# Allegro board A527_draft_V1_0.brd (continued)
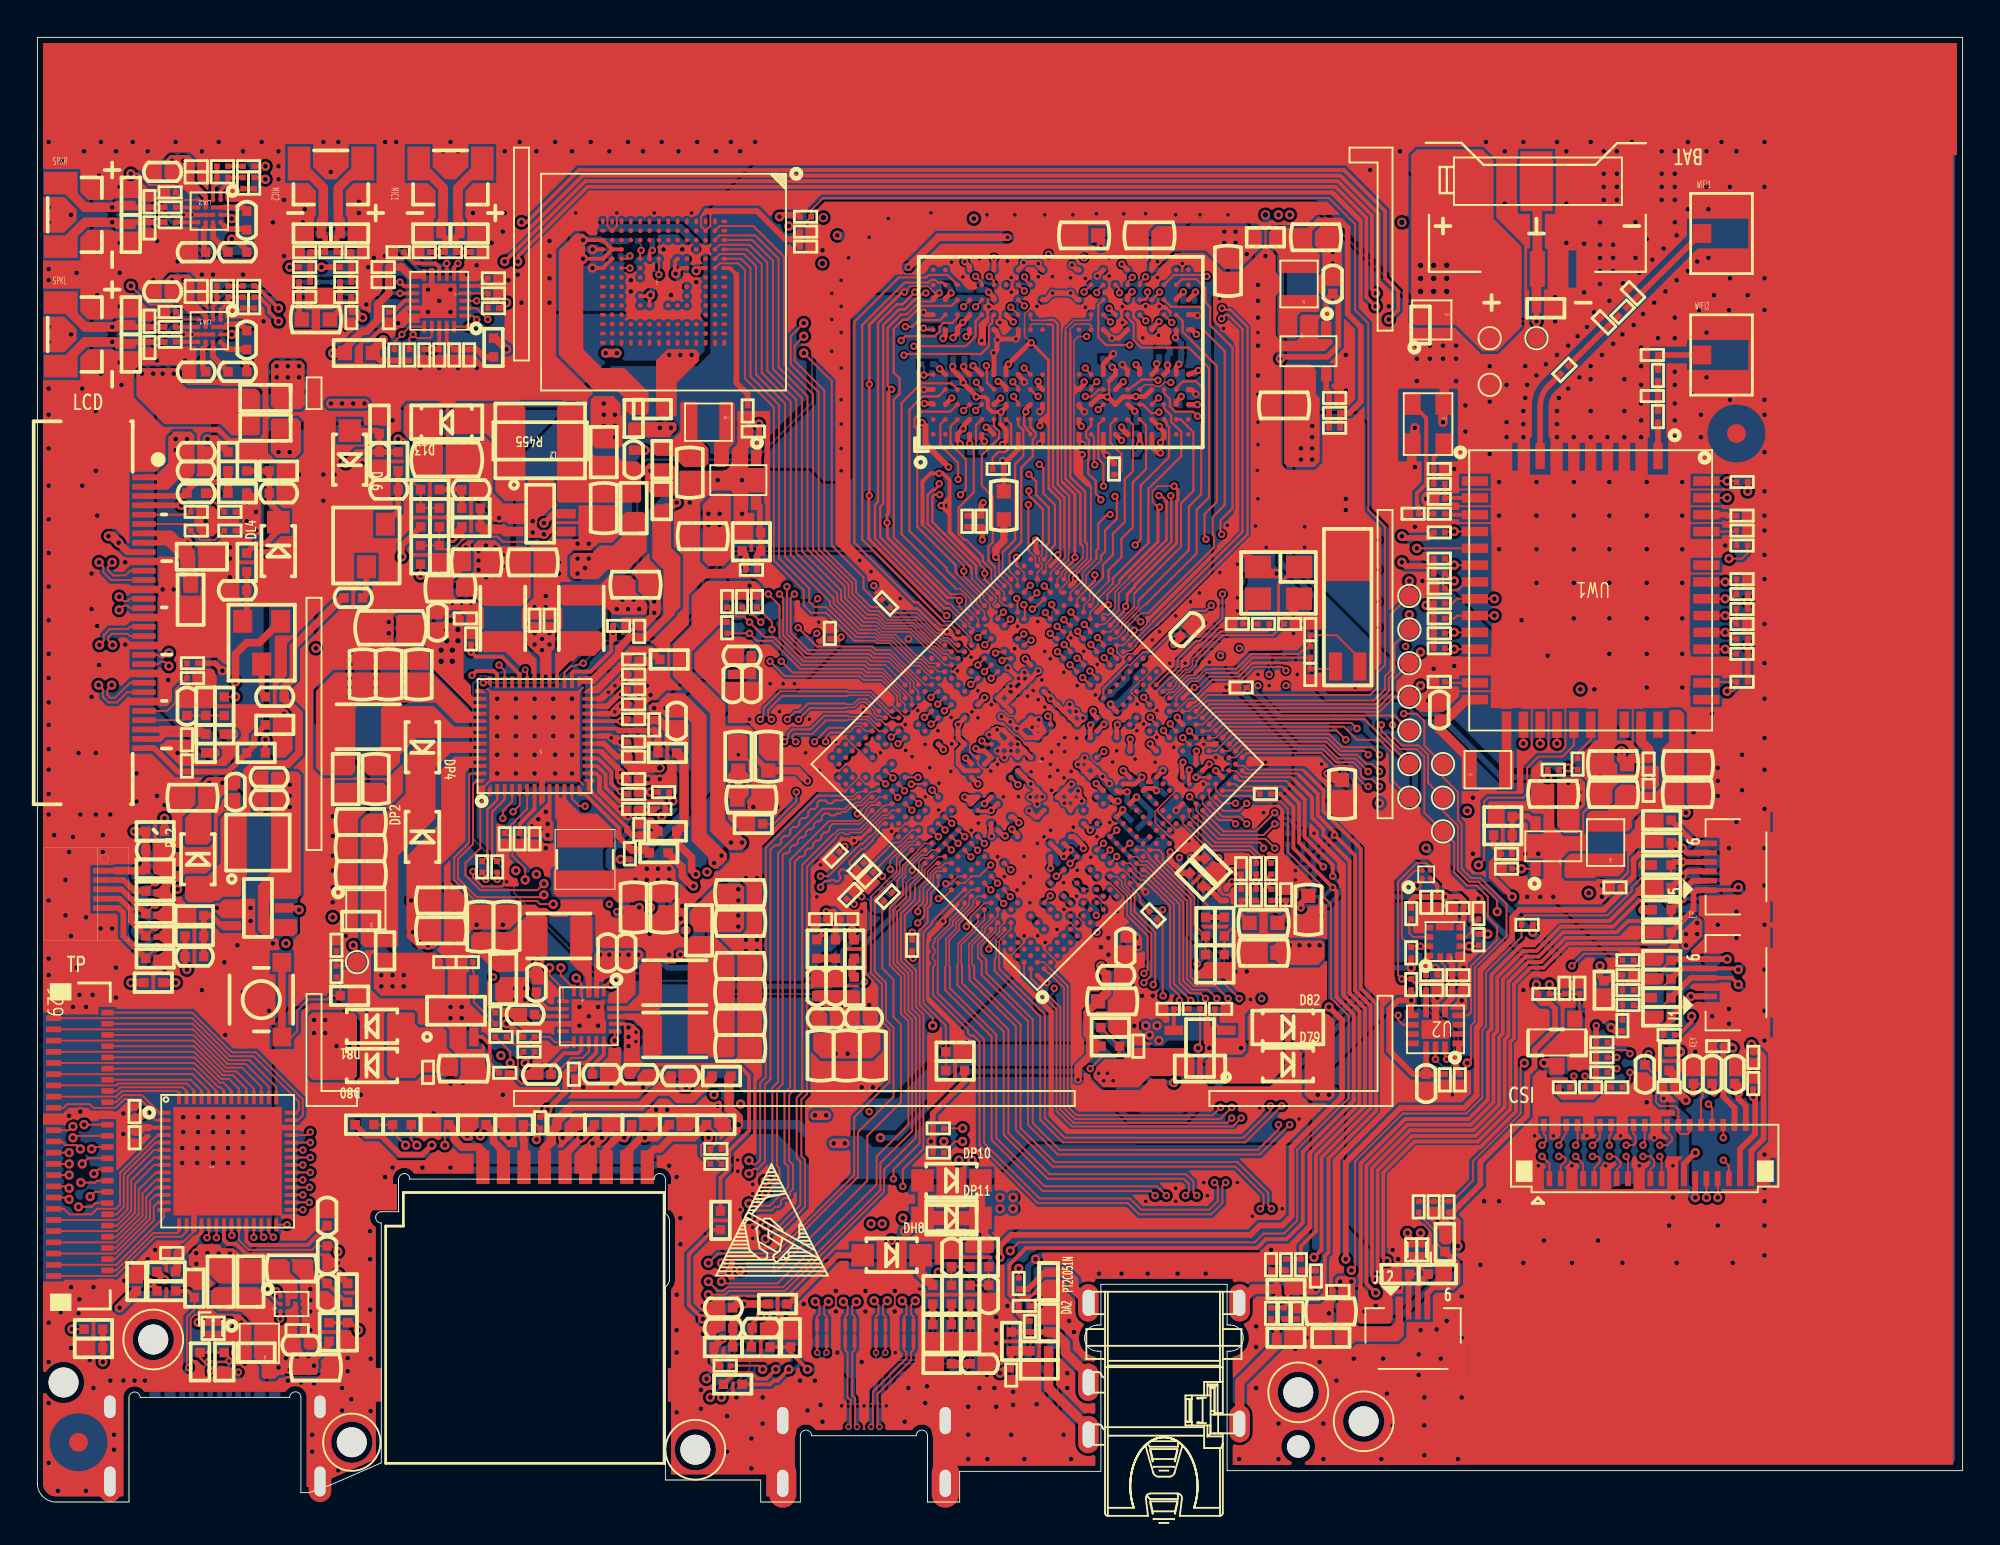
[diagram p0: board, top side]
## Routing (per net, layer and track width the routed paths; a pad name or vN(x,y) marks a point on that pad's centre or on a via; arc(x,y) is an arc through that point) (continued)
EMMC-D1: length 29
  TOP w0.076: 44.6,46.7 44.85,46.7 45.12,46.42 45.9,46.42 47,45.32 47.32,45.32 47.74,44.9 48.1,44.9 U1.U32
  TOP w0.1: 44.6,46.7 44,46.7 42.6,48.1 42.6,48.4 40.3,50.7 40.3,58.9 38.75,60.45 38.75,66.25 37.95,67.05 UM1.A4
EMMC-D2: length 28.9
  TOP w0.076: 44.3,46.3 44.82,46.3 45,46.12 45.7,46.12 46.88,44.94 47.24,44.94 47.73,44.45 U1.T32
  TOP w0.1: 44.3,46.3 43.8,46.3 42.2,47.9 41.6,47.9 41.3,48.2 41.3,48.9 39.68,50.52 39.68,58.72 38.15,60.25 38.15,66.05 37.65,66.55 UM1.A5
EMMC-D3: length 30.8
  TOP w0.076: U1.W32 48.83,45.58 48.47,45.58 48.06,46 47.94,46 46.88,47.06 45.39,47.06 44.95,47.5 44.87,47.5
  TOP w0.1: UM1.B2 36.5,68.3 38.3,68.3 39.95,66.65 39.95,60.85 41.5,59.3 41.5,51 43.4,49.1 43.4,48.5 44.4,47.5 44.87,47.5
EMMC-D4: length 31
  TOP w0.076: U1.W31 48.9,45.16 48.65,45.41 48.43,45.41 48.04,45.8 47.92,45.8 46.81,46.91 45.32,46.91 44.93,47.3 44.8,47.3
  TOP w0.1: 44.8,47.3 44.3,47.3 43.2,48.4 43.2,49 41.2,51 41.2,59.2 39.65,60.75 39.65,66.55 38.4,67.8 36.5,67.8 UM1.B3
EMMC-D5: length 30.5
  TOP w0.076: 44.6,46.9 44.87,46.9 45.19,46.58 46.67,46.58 47.75,45.5 47.86,45.5 48.55,44.8 U1.V31
  TOP w0.1: 44.6,46.9 44.1,46.9 42.8,48.2 42.8,48.6 40.6,50.8 40.6,59 39.05,60.55 39.05,66.35 38.1,67.3 36.5,67.3 UM1.B4
EMMC-D6: length 30
  TOP w0.076: 44.4,46.5 44.83,46.5 45.06,46.27 45.8,46.27 46.96,45.11 47.31,45.11 47.72,44.7 47.95,44.7 48.2,44.45 U1.U31
  TOP w0.1: UM1.B5 36.5,66.8 37.8,66.8 38.45,66.15 38.45,60.35 40,58.8 40,50.6 42.4,48.2 42.4,48 43.9,46.5 44.4,46.5
EMMC-D7: length 29.9
  TOP w0.076: 44.2,46.1 44.8,46.1 44.93,45.97 45.6,45.97 46.8,44.77 47.17,44.77 47.84,44.1 U1.T31
  TOP w0.1: 44.2,46.1 43.7,46.1 42.2,47.6 41.4,47.6 41,48 41,48.8 39.4,50.4 39.4,58.6 37.85,60.15 37.85,65.95 37.5,66.3 36.5,66.3 UM1.B6
EMMC-DS: length 32.6
  TOP w0.1: UM1.H5 v1(33.25,65.7)
  TOP w0.114: U1.W28 49.99,43.77 v1(49.94,43.77)
  ART04 w0.1: v1(49.94,43.77) 49.33,43.77 47.2,45.9 47.2,46.2 46.6,46.8 46.3,46.8 41.4,51.7 41.4,59.9 36.6,64.7 34.6,64.7 34.2,65.1 33.85,65.1 v1(33.25,65.7)
  BOTTOM w0.1: v1(33.25,65.7) 32.95,66 RM10.1
EMMC-RST: length 35.3
  TOP w0.076: 45.23,47.77 45.63,47.37 47.04,47.37 48.08,46.33 48.2,46.33 48.42,46.11 48.66,46.11 49.26,45.51 49.61,45.51
  TOP w0.1: 45.23,47.77 45.1,47.9 44.6,47.9 43.8,48.7 43.8,49.3 42.1,51 42.1,59.5 40.51,61.09 40.51,61.91 v2(41,62.4) ; UM1.K5 32.25,66.95 v1(32.3,67)
  ART04 w0.1: v2(41,62.4) 40.6,62.8 40.6,64.3 37.4,67.5 32.8,67.5 v1(32.3,67)
  BOTTOM w0.1: v1(32.3,67) 32.3,67.3 RM8.1
EXT-DCDC2: length 18.4
  TOP w0.3: v2(78.9,32.4) 77.8,33.5 77.8,34.2 CP51.2 77.9,35.1 RP45.2
  TOP w0.5: CW21.1 87.55,37.55 v2(88.2,36.9)
  ART04 w0.3: v2(78.9,32.4) 79.5,31.8 81.3,31.8 82,32.5 82,33 82.6,33.6 84.6,33.6 84.8,33.4 86.2,33.4 87.2,34.4 87.2,35.9 v2(88.2,36.9)
EXT-DCDC4: length 7.9
  TOP w0.3: CP54.2 v2(37.9,50.4) 37.9,50.7 RP52.2
  ART04 w0.3: v2(37.9,50.4) 37.1,51.2 37.1,54.8 v2(35.6,56.3)
FEL: length 44.1
  TOP w0.1: U1.F16 49.96,35.23 v1(50.31,34.89) ; v2(16.9,29.8) 17.1,29.6 TP40.1 16.9,28.7 R525.2 CP69.2
  ART03 w0.1: v1(50.31,34.89) 50.31,33.81 47.7,31.2 47.7,30.7 47.1,30.1 46.3,30.1 44.7,28.5 44.1,28.5 43.5,27.9 34.3,27.9 33.4,28.8 33.4,30.48 33.08,30.8 32.4,30.8 31.9,30.3 29.55,30.3 28.77,29.52 25.43,29.52 24.92,29 23.82,29 23.62,28.8 20.1,28.8 19.1,29.8 v2(16.9,29.8)
GS-INT: length 40.5
  TOP w0.076: 47.8,32.39 47.8,32.6 48.2,33 U1.A16
  TOP w0.1: R35.1 77.05,29.75 v2(76.6,29.75) U7.5 ; 47.8,32.39 47.8,31.97 47.63,31.8 47.63,31.03 47.2,30.6 47.2,26.6 47.9,25.9 v2(47.9,25.5)
  ART03 w0.1: v2(47.9,25.5) 48.5,26.1 62.78,26.1 63.13,25.75 66.05,25.75 66.2,25.9 71.8,25.9 74.1,28.2 75.05,28.2 v2(76.6,29.75)
HBIAS: length 14.7
  TOP w0.1: 67,38.4 66.8,38.6 64.3,38.6 64.11,38.79 U1.AL1
  TOP w0.2: 67,38.4 67.8,37.6 67.8,35.6 69.3,34.1 v1(69.3,33.5)
  TOP w0.3: CA1.1 67.6,32.05 v1(67.6,31.8)
  BOTTOM w0.2: v1(69.3,33.5) 69.7,33.1 69.7,32.6 69.03,31.93 67.73,31.93 v1(67.6,31.8) 67.2,32.2 RA2.2
HCEC: length 41.6
  TOP w0.1: U1.E28 45.39,39.15 v1(45.77,38.76)
  TOP w0.3: RH5.1 v2(47.9,10.1) DH6.2
  ART04 w0.1: v2(47.9,10.1) 48.68,10.88 48.68,12.52 48.4,12.8 48.4,14.1 45.4,17.1 45.4,17.7 45.6,17.9 45.6,27.03 44.1,28.53 44.1,30.7 43.1,31.7 43.1,34.3 42.56,34.84 42.56,36.56 44.9,38.9 45.63,38.9 v1(45.77,38.76)
  BOTTOM w0.1: v2(47.9,10.1) 47.9,7.9 47.6,7.6 46,7.6 45.23,6.83 CON2.15
HDMI-CEC: length 1.9
  TOP w0.5: RH5.2 47.25,12.25 DH8.K
HDMI-SCL: length 2
  TOP w0.1: RH2.1 CH3.2 RH10.2
HDMI-SDA: length 2
  TOP w0.1: RH9.2 CH2.2 RH1.1
HHPD: length 46.1
  TOP w0.114: U1.D28 45.37,38.44 v1(45.38,38.44)
  TOP w0.2: RH3.1 38.2,9.27 CH1.2 38.25,9.55 v2(38.7,10)
  ART04 w0.1: v2(38.7,10) 39.8,8.9 48.1,8.9 48.4,9.2 48.4,10.3 48.89,10.79 48.89,12.61 48.6,12.9 48.6,14.2 46.7,16.1 46.7,17 45.8,17.9 45.8,27.13 44.3,28.63 44.3,30.8 43.3,31.8 43.3,34.4 42.78,34.92 42.78,36.48 44.74,38.44 v1(45.38,38.44)
HP-DET: length 46.8
  TOP w0.076: 63.33,37.8 63.05,38.08 U1.AJ2
  TOP w0.1: RA5.1 v2(52.5,12.5) ; v2(52.05,13.45) 52.5,13.9 65.13,13.9 65.6,14.37 66.7,14.37 67.4,15.07 67.4,18.87 70.15,21.62 70.15,26.02 69.2,26.97 69.2,32 68.8,32.4 68.8,32.9 66.9,34.8 66.9,37.1 66.5,37.5 65.2,37.5 64.9,37.8 63.33,37.8
  ART04 w0.1: v2(52.05,13.45) 52.5,13 v2(52.5,12.5)
HP-DET-1: length 59.2
  TOP w0.1: DA17.2 87.4,33.7 87.2,33.5 85.9,33.5 85.3,32.9 85.3,32.7 84,31.4 79.6,31.4 79.4,31.2 RA1.1 79.4,30.25 77.5,28.35 77.5,25.45 77.3,25.25 77.3,21.65 76.45,20.8 73.05,20.8 70.5,18.25 70.5,12.6 v2(70.3,12.4)
  TOP w0.3: JL5.4 v2(88,34.26) 87.56,34.26 DA17.2 ; RA5.2 53,11.4 53.9,12.3 DA2.2
  TOP w0.5: DA2.2 55,12.3 55.45,11.85 55.45,11.43 JA1.5
  ART04 w0.1: JA1.5 56.22,12.32 56.6,12.7 63.3,12.7 64,12 64.9,12 65.1,11.8 68.9,11.8 69.5,12.4 v2(70.3,12.4)
  BOTTOM w0.2: TP41.1 89.56,34.26 v2(88,34.26)
HPOUTFB: length 59.6
  TOP w0.1: U1.AM1 64.61,39 67.4,39 67.5,38.9
  TOP w0.2: 67.5,38.9 68.5,37.9 68.5,36.75 69.4,35.85 v1(69.4,35.7) 70.5,34.6 70.5,27.37 71.33,26.55 71.33,21.07 68.7,18.45 68.7,13.5 v2(68.3,13.1)
  TOP w0.3: RA47.1 RA10.2 51.7,7.1 v2(51.5,6.9)
  TOP w0.5: RA47.1 RN2.1
  ART04 w0.2: v2(51.5,6.9) 52.1,7.5 52.1,7.6 52.9,8.4 52.9,11.1 55.7,13.9 63.8,13.9 64.5,13.2 65.4,13.2 65.6,13 68.2,13 v2(68.3,13.1)
  BOTTOM w0.2: v1(69.4,35.7) 68.3,34.6 RA45.2 CA7.1 CA3.2
HPOUTFB-1: length 67.7
  TOP w0.3: RA47.2 RN1.2 DA5.2 ; v2(70,13) 70,18.17 72.93,21.1 76.33,21.1 77,21.77 77,25.38 77.2,25.58 77.2,28.47 78.9,30.17 78.9,31.3 79.3,31.7 83.8,31.7 84.7,32.6 RA40.2 84.8,32.9 85.4,33.5 85.4,34.4 85.7,34.7 87.2,34.7 87.4,34.9 DA14.2 87.6,35.3 87.9,35 v2(88,35) 88.24,34.76 JL5.5
  TOP w0.5: DA5.2 54.4,9.1 55,8.5 55,8 56.22,6.78 JA1.2
  ART04 w0.3: JA1.2 56.22,6.78 54.6,8.4 54.6,10.1 54.8,10.3 54.8,11.9 56,13.1 63.5,13.1 64.2,12.4 65.1,12.4 65.3,12.2 68.8,12.2 69.6,13 v2(70,13)
  BOTTOM w0.2: TP45.1 88.3,35 v2(88,35)
HPOUTL: length 33.1
  TOP w0.076: U1.AL2 64.11,39.15 64.45,38.8
  TOP w0.1: 67.2,38.7 67.1,38.8 64.45,38.8
  TOP w0.2: RA4.1 CA6.1 67.6,13.7 68.4,14.5 68.4,18.57 71.03,21.2 71.03,26.42 70.2,27.25 70.2,34.3 68.8,35.7 68.8,36.03 68.2,36.63 68.2,37.7 67.2,38.7
HPOUTL-1: length 46.6
  TOP w0.2: v2(71.6,11.9) 71.4,12.1 71.4,17.87 73.43,19.9 76.83,19.9 78.2,21.27 78.2,24.88 78.4,25.08 78.4,27.97 79.63,29.2 80.33,29.2 81.63,30.5 84.5,30.5 85.1,31.1 87.2,31.1 87.4,31.3 DA15.2
  TOP w0.3: RA4.2 RA9.2 66,12.1 66.3,11.8 DA1.2 66.4,11.3 v2(66.4,10.9) ; DA15.2 v2(88,32.3) 88,32.7 88.56,33.26 JL5.2
  TOP w0.5: DA1.2 65.06,11.4 JA1.4
  ART04 w0.2: v2(71.6,11.9) 70.6,10.9 v2(66.4,10.9)
  BOTTOM w0.2: TP43.1 v2(88,32.3)
HPOUTR: length 37.7
  TOP w0.076: U1.AM2 64.19,39.41 64.55,39.41 64.76,39.2 65.6,39.2
  TOP w0.1: 67.8,39.1 67.7,39.2 65.6,39.2
  TOP w0.2: 67.8,39.1 68.8,38.1 68.8,36.98 70.8,34.98 70.8,27.5 71.63,26.67 71.63,20.95 69.07,18.4 69.07,13.37 68.88,13.18 68.88,11.18 68.55,10.85 67.15,10.85 CA5.1 RA6.1
HPOUTR-1: length 52.8
  TOP w0.2: DA16.2 87.4,32.5 87.1,32.2 85.7,32.2 84.3,30.8 81.5,30.8 80.2,29.5 79.5,29.5 78.1,28.1 78.1,25.2 77.9,25 77.9,21.4 76.7,20.2 73.3,20.2 71.1,18 71.1,11.7 v2(71.6,11.2)
  TOP w0.3: DA3.2 v2(66.3,9.4) 66,9.7 RA6.2 ; DA16.2 v2(88,33.5) 88.26,33.76 JL5.3
  TOP w0.5: DA3.2 66.3,8.4 64.32,6.42 JA1.3
  ART04 w0.2: v2(66.3,9.4) 66.3,10 66.9,10.6 70.72,10.6 71.32,11.2 v2(71.6,11.2)
  BOTTOM w0.2: v2(88,33.5) 88.8,33.5 89,33.3 90.6,33.3 TP42.1
HREXT: length 10.7
  TOP w0.1: R44.2 39.4,36.3 40.6,37.5 v1(40.6,38) ; U1.F26 47.1,38.79 v1(47.11,38.79)
  ART04 w0.1: v1(40.6,38) 42.4,38 43.6,39.2 46.2,39.2 46.61,38.79 v1(47.11,38.79)
HS-MIC: length 51.4
  TOP w0.2: RA3.1 52.5,10.6 52,11.1 52,12.7 52.9,13.6 65.25,13.6 65.72,14.07 66.82,14.07 67.7,14.95 67.7,18.75 70.43,21.47 70.43,26.1 69.5,27.03 69.5,32.7 v1(69.3,32.9) 67.2,35 67.2,37.2 66.5,37.9 RA43.1
  TOP w0.3: RA3.1 52.5,10.1 52.9,9.7 RN1.1
  BOTTOM w0.2: RA44.2 CA8.1 RA2.1 CA3.1 67.7,32.7 68,32.4 68.8,32.4 v1(69.3,32.9)
HS-MIC-1: length 65.8
  TOP w0.2: v2(91,32.9) 90.86,32.76 JL5.1 ; DA18.2 87.4,30.2 87.1,29.9 81.88,29.9 80.58,28.6 79.88,28.6 79,27.72 79,24.83 78.8,24.63 78.8,21.02 77.08,19.3 73.68,19.3 72,17.62 72,13.1 v2(72.2,12.9)
  TOP w0.3: v2(53.5,10.7) 53.3,10.5 RA3.2 ; DA18.2 88.6,31.7 88.6,32.6 88.76,32.76 JL5.1
  TOP w0.5: RN2.2 v2(54.1,7.6) DA4.2 54.1,6.1 56.22,3.98 JA1.1
  ART04 w0.2: v2(72.2,12.9) 71.6,13.5 69.6,13.5 68.7,12.6 65.4,12.6 65.2,12.8 64.33,12.8 63.63,13.5 55.8,13.5 53.5,11.2 v2(53.5,10.7)
  ART04 w0.3: v2(53.5,10.7) 53.5,8.2 v2(54.1,7.6)
  BOTTOM w0.2: TP44.1 v2(91,32.9)
HSCL: length 38.9
  TOP w0.1: v1(46.03,37.71) 45.72,38.02 U1.D26
  TOP w0.3: DH5.2 v2(48.9,10.1) RH10.1
  ART04 w0.1: v1(46.03,37.71) 44.5,36.18 44.5,28.73 46,27.23 46,18 46.9,17.1 46.9,16.2 48.8,14.3 48.8,13 49.1,12.7 49.1,10.3 v2(48.9,10.1)
  BOTTOM w0.1: CON2.17 45.63,6.92 46.1,7.4 48.6,7.4 49,7.8 49,10 v2(48.9,10.1)
HSDA: length 40.6
  TOP w0.1: U1.E26 46.39,38.12 v1(46.39,38.07)
  TOP w0.3: DH4.2 v2(49.9,10.1) RH9.1
  ART04 w0.1: v2(49.9,10.1) 49.31,10.69 49.31,12.79 49,13.1 49,14.4 47.1,16.3 47.1,17.2 46.2,18.1 46.2,27.33 44.7,28.83 44.7,35.8 46.39,37.49 v1(46.39,38.07)
  BOTTOM w0.1: v2(49.9,10.1) 49.9,7.3 48.9,6.3 48.49,6.3 47.99,5.8 47.2,5.8 46.43,5.03 45.95,5.03 45.83,4.9 CON2.18
HTX0N: length 39.9
  TOP w0.076: 42.93,37.11 43.21,37.11 43.46,37.36 43.72,37.36 43.81,37.45 44.03,37.45 44.57,38 U1.C27
  TOP w0.1: v2(38.95,17.18) 39.29,17.18 39.45,17.34 39.45,17.76 39.32,17.89 39.32,22.18 39.62,22.48 39.62,34.72 42.01,37.11 42.93,37.11 ; v3(45.37,8) DH2.2 DH2.9 45.37,9.93 45.24,10.05 45.24,10.54 v2(45.47,10.77)
  ART04 w0.1: v2(45.47,10.77) 45.24,10.99 45.24,11.81 40.05,17.01 39.12,17.01 v2(38.95,17.18)
  BOTTOM w0.1: v3(45.37,8) 45.12,7.75 45.12,7.57 44.43,6.87 44.43,5.95
HTX0P: length 39.8
  TOP w0.076: 42.93,36.86 42.95,36.86 43.04,36.94 43.27,36.94 43.53,37.2 43.79,37.2 43.88,37.29 44.12,37.29 44.56,37.73 U1.B27
  TOP w0.1: v2(44.77,10.77) 44.99,10.54 44.99,10.05 44.87,9.93 DH2.10 DH2.1 v3(44.87,8) ; v2(38.95,16.48) 39.7,17.24 39.7,17.86 39.57,17.99 39.57,22.07 39.87,22.37 39.87,34.62 39.97,34.72 40.12,34.72 40.26,34.86 40.26,35.01 40.4,35.15 40.55,35.15 40.69,35.29 40.69,35.44 40.83,35.58 40.98,35.58 41.12,35.72 41.12,35.87 41.26,36.01 41.41,36.01 41.55,36.15 41.55,36.3 41.69,36.44 41.84,36.44 41.98,36.58 41.98,36.73 42.11,36.86 42.34,36.86 42.45,36.75 42.65,36.75 42.76,36.86 42.93,36.86
  ART04 w0.1: v2(38.95,16.48) 39.22,16.76 39.94,16.76 44.99,11.71 44.99,10.99 v2(44.77,10.77)
  BOTTOM w0.1: CON2.9 44.03,6.83 44.87,7.67 v3(44.87,8)
HTX1N: length 42.6
  TOP w0.076: U1.B26 44.94,37.31 44.59,37.31 44.41,37.13 44.25,36.78 43.94,36.46 42.36,36.46 42.34,36.45
  TOP w0.1: 42.34,36.45 40.27,34.38 40.27,22.21 39.97,21.91 39.97,18.16 40.17,17.96 40.17,16.86 39.17,15.86 38.2,15.86 v2(38.07,15.98) ; v3(43.85,4.03) 43.75,4.12 43.75,5.55 43.59,5.71 43.59,8.01 43.72,8.14 DH1.5 DH1.6 43.72,9.93 43.59,10.05 43.59,10.5 v2(43.82,10.72)
  ART04 w0.1: v2(43.82,10.72) 43.59,10.95 43.59,12.21 40.04,15.76 38.3,15.76 v2(38.07,15.98)
  BOTTOM w0.2: CON2.8 43.83,4.05 v3(43.85,4.03)
HTX1P: length 42.6
  TOP w0.076: 42.52,36.27 42.55,36.3 44,36.3 44.45,36.75 44.45,36.81 U1.A26
  TOP w0.1: v2(43.12,10.72) 43.34,10.5 43.34,10.05 43.22,9.93 DH1.7 DH1.4 43.22,8.14 43.34,8.01 43.34,5.6 43.5,5.45 43.5,4.12 v3(43.4,4.03) ; 42.52,36.27 42.38,36.13 42.38,35.98 42.24,35.84 42.09,35.84 41.95,35.7 41.95,35.55 41.81,35.41 41.65,35.41 41.51,35.26 41.51,35.11 41.37,34.97 41.22,34.97 41.08,34.83 41.08,34.68 40.94,34.54 40.78,34.54 40.52,34.27 40.52,22.1 40.22,21.8 40.22,18.26 40.42,18.06 40.42,16.75 40.26,16.59 40.26,16.41 40.11,16.26 39.93,16.26 39.79,16.12 39.79,15.94 39.65,15.8 39.46,15.8 39.27,15.61 38.4,15.61 v2(38.07,15.28)
  ART04 w0.1: v2(43.12,10.72) 43.34,10.95 43.34,12.1 43.21,12.24 43.01,12.24 42.87,12.38 42.87,12.58 39.94,15.51 38.3,15.51 v2(38.07,15.28)
  BOTTOM w0.2: 43.43,4.62 43.43,4.05 v3(43.4,4.03)
HTX2N: length 38.2
  TOP w0.076: U1.C25 45.24,37.26 43.99,36 42.87,36 42.61,35.74 42.55,35.74 42.53,35.72
  TOP w0.1: v3(42.22,8) DH1.2 DH1.9 42.22,9.93 42.09,10.05 42.09,10.51 v2(42.32,10.73) ; 42.53,35.72 40.92,34.11 40.92,21.94 40.62,21.64 40.62,18.43 40.82,18.23 40.82,15.91 39.69,14.78 v2(38.95,14.78)
  ART04 w0.1: v2(38.95,14.78) 39.17,14.56 39.94,14.56 42.09,12.41 42.09,10.96 v2(42.32,10.73)
  BOTTOM w0.1: v3(42.22,8) 42.09,7.88 42.09,7.71 43.23,6.58 CON2.5
HTX2P: length 38.1
  TOP w0.076: U1.B25 45.24,37.03 44.06,35.84 43.47,35.84 43.38,35.75 43.22,35.75 43.14,35.84 42.94,35.84 42.72,35.62 42.72,35.56 42.71,35.55
  TOP w0.1: v3(41.72,8) DH1.1 DH1.10 41.72,9.93 41.84,10.05 41.84,10.51 v2(41.62,10.73) ; v2(38.95,14.08) 39.4,14.53 39.8,14.53 41.07,15.81 41.07,18.33 40.87,18.53 40.87,21.53 41.17,21.83 41.17,34.01 42.71,35.55
  ART04 w0.1: v2(41.62,10.73) 41.84,10.96 41.84,11.39 41.7,11.53 41.7,11.73 41.84,11.88 41.84,12.3 41.62,12.53 41.54,12.53 41.47,12.53 41.33,12.67 41.33,12.82 41.19,12.96 41.11,12.96 41.04,12.96 40.9,13.1 40.9,13.25 40.76,13.39 40.69,13.39 40.61,13.39 40.47,13.53 40.47,13.68 40.33,13.82 40.26,13.82 40.18,13.82 40.04,13.96 40.04,14.11 39.84,14.31 39.17,14.31 v2(38.95,14.08)
  BOTTOM w0.1: CON2.3 42.83,6.62 41.84,7.6 41.84,7.88 v3(41.72,8)
HTXCN: length 44.9
  TOP w0.076: 43.03,37.81 43.05,37.81 43.09,37.76 43.63,37.76 43.83,37.97 U1.B28
  TOP w0.1: 43.03,37.81 41.75,37.81 38.97,35.02 38.97,22.75 38.67,22.45 38.67,18.32 38.42,18.07 38.28,18.07 v2(38.07,18.28) ; v2(46.97,10.77) 46.74,10.54 46.74,10.05 46.87,9.93 DH2.6 DH2.5 46.87,8.14 46.74,8.01 46.74,7.59 44.95,5.8 44.95,4.12 v3(45.05,4.03)
  ART04 w0.1: v2(46.97,10.77) 46.74,10.99 46.74,11.61 40.3,18.06 38.3,18.06 v2(38.07,18.28)
  BOTTOM w0.2: v3(45.05,4.03) 45.03,4.05 CON2.14
HTXCP: length 44.8
  TOP w0.076: 43.05,37.56 43.09,37.6 43.7,37.6 43.83,37.73 U1.A28
  TOP w0.1: v2(46.27,10.77) 46.49,10.54 46.49,10.05 46.37,9.93 DH2.7 DH2.4 46.37,8.14 46.49,8.01 46.49,7.69 44.7,5.9 44.7,4.12 v3(44.6,4.03) ; 43.05,37.56 42.66,37.56 42.5,37.4 42.3,37.4 42.15,37.56 41.86,37.56 41.73,37.43 41.73,37.23 41.59,37.09 41.39,37.09 41.25,36.95 41.25,36.75 41.11,36.61 40.91,36.61 40.76,36.46 40.76,36.26 40.62,36.12 40.42,36.12 40.28,35.98 40.28,35.78 40.14,35.64 39.94,35.64 39.8,35.5 39.8,35.3 39.66,35.16 39.46,35.16 39.22,34.92 39.22,22.64 38.92,22.34 38.92,18.22 38.52,17.82 38.31,17.82 v2(38.07,17.58)
  ART04 w0.1: v2(46.27,10.77) 46.49,10.99 46.49,11.51 40.19,17.81 38.3,17.81 v2(38.07,17.58)
  BOTTOM w0.2: v3(44.6,4.03) 44.63,4.05 CON2.12
I2S0-BCLK: length 40
  TOP w0.076: U1.N32 46.7,43.47 46.7,43.84 45.54,45 45.2,45
  TOP w0.1: 45.2,45 44.61,45 44.41,45.2 41.08,45.2 39.9,46.38 39.9,48.4 v1(39.7,48.6) ; UA3.1 23.3,63.5 v1(23.5,63.3)
  ART04 w0.1: v1(23.5,63.3) 23.9,63.7 24.3,63.7 24.7,63.3 29.1,63.3 29.6,62.8 35.83,62.8 39.5,59.13 39.5,48.8 v1(39.7,48.6)
I2S0-DIN: length 40.2
  TOP w0.076: U1.P32 47.14,43.86 45.6,45.4 45.5,45.4
  TOP w0.1: UA3.3 v1(23.5,64.3) ; v1(40.5,48.6) 40.3,48.4 40.3,46.55 41.25,45.6 44.58,45.6 44.78,45.4 45.5,45.4
  ART04 w0.1: v1(40.5,48.6) 40.5,49.2 39.9,49.8 39.9,59.3 36,63.2 29.8,63.2 29.3,63.7 24.9,63.7 24.3,64.3 v1(23.5,64.3)
I2S0-LRCK: length 39.3
  TOP w0.076: U1.N33 45.37,44.8 45.1,44.8
  TOP w0.1: UA3.2 23.5,63.9 v1(24.1,63.3) ; 45.1,44.8 44.53,44.8 44.33,45 41,45 39.7,46.3 39.7,48 v1(39.1,48.6)
  ART04 w0.1: v1(39.1,48.6) 39.3,48.8 39.3,59.05 35.75,62.6 29.5,62.6 29,63.1 24.3,63.1 v1(24.1,63.3)
I2S0-MCLK: length 41.8
  TOP w0.076: U1.N31 47.14,43.39 46.88,43.65 46.88,43.9 45.58,45.2 45.3,45.2
  TOP w0.1: UA3.20 v1(23.1,62.91) ; 45.3,45.2 44.7,45.2 44.5,45.4 41.17,45.4 40.1,46.47 v1(40.1,49)
  ART04 w0.1: v1(40.1,49) 39.7,49.4 39.7,59.22 35.92,63 29.7,63 29.2,63.5 24.78,63.5 24.38,63.9 23.5,63.9 23.1,63.5 v1(23.1,62.91)
JTAG-SEL: length 11.7
  TOP w0.114: U1.G16 50.66,35.26 v1(50.66,35.25)
  ART04 w0.1: v1(50.66,35.25) 50.66,35.24 50.9,35 51.6,35 52.5,34.1 53.2,34.1 53.6,33.7 53.6,31 54.5,30.1 54.5,27.6 v1(54.4,27.5)
  BOTTOM w0.1: TP5.1 53.9,26.8 54.4,27.3 v1(54.4,27.5)
L/R: length 4.9
  TOP w0.1: J11.6 7.85,52.35 RL5.2 8.7,51.5 9.5,51.5 RL1.1
LCD-BL-EN: length 61.9
  TOP w0.1: U1.A14 48.42,32.3 v1(48.2,32.3) ; RL20.1 v2(20.5,49.6)
  ART03 w0.1: v1(48.2,32.3) 46.8,32.3 44.3,29.8 42.87,29.8 42.67,30 41.8,30 40.3,28.5 36.4,28.5 34.7,30.2 34.53,30.2 33.33,31.4 32.15,31.4 31.65,30.9 29.3,30.9 28.52,30.12 25.15,30.12 24.63,29.6 23.57,29.6 23.37,29.4 20.37,29.4 18.47,31.3 v2(15.8,31.3)
  ART04 w0.1: v2(15.8,31.3) 15.4,31.7 15.4,38.9 14.1,40.2 14.1,46.2 17.5,49.6 v2(20.5,49.6)
LCD-PWM: length 40.8
  TOP w0.076: U1.L32 46,42.76 46,43.17 45.17,44 45.1,44
  TOP w0.1: RL25.1 RL28.1 RL30.2 19.8,54.9 19.8,56.7 19.6,56.9 v2(19.3,56.9) ; 45.1,44 44.2,44 44,44.2 40,44.2 v1(39.2,45)
  ART04 w0.1: v1(39.2,45) 38.9,45.3 38.2,45.3 37.1,46.4 37.1,50.1 34.7,52.5 33.8,52.5 29.01,57.29 19.69,57.29 v2(19.3,56.9)
LCD-RST: length 74.2
  TOP w0.076: 45.1,44.2 45.18,44.2 46.15,43.23 46.15,42.96 46.43,42.68 U1.L31
  TOP w0.1: 45.1,44.2 44.28,44.2 44.08,44.4 40.4,44.4 v1(39.8,45) ; RL9.1 v2(10.6,43.1)
  ART04 w0.1: v2(10.6,43.1) 9.7,42.2 3.1,42.2 2.3,43 2.3,52.6 7.1,57.4 19.5,57.4 19.6,57.5 29.1,57.5 33.9,52.7 34.8,52.7 37.31,50.19 37.31,46.49 38.3,45.5 39.3,45.5 v1(39.8,45)
LCD-RST-1: length 4.4
  TOP w0.1: RL9.2 RL10.2 CL28.1 7.75,41.85 J11.27
LCD-STBYB: length 4.2
  TOP w0.1: J11.26 6.95,42.35 7.4,42.8 7.4,43.5 RL7.2 RL3.1
LCM-IOVDD: length 6.1
  TOP w0.3: 10.2,54.6 8.5,54.6 8,54.1 CL3.1 7.85,53.85 J11.3
  TOP w0.4: RL38.2 RL11.2
LCM-VDD33: length 7.2
  TOP w0.3: 6.8,41.1 6.55,41.35 ; 6.8,41.1 6.55,40.85 J11.29 ; 6.8,41.1 CL4.1 RL12.2 8.7,41.4 6.6,41.4 6.55,41.35 ; 6.55,41.35 J11.28
LED+: length 6.6
  TOP w0.3: JV1.27 88.09,18.09 v2(88.7,18.7)
  TOP w0.5: v2(88.2,21.5) 87.6,22.1 CV6.1 87.6,22.8 RV12.2
  ART04 w0.5: v2(88.2,21.5) 88.2,20.9 88.7,20.4 v2(88.7,18.7)
LED-: length 15.5
  TOP w0.3: v2(88.7,16.3) 88.69,16.31 JV1.29
  TOP w0.5: QV1.3 81.13,23.5 v2(80.6,23.5)
  BOTTOM w0.5: v2(80.6,23.5) 81.9,22.2 87.3,22.2 87.55,21.95 87.55,21.05 88.1,20.5 88.1,16.9 v2(88.7,16.3)
LINEOUTLN: length 101.6
  TOP w0.1: v1(64.7,36.3) 64.31,36.69 63.39,36.69 U1.AG1
  TOP w0.2: v2(12.9,63.9) 11.7,65.1 CA21.2
  ART03 w0.2: v1(64.7,36.3) 64.3,36.7 63.6,36.7 63.3,37 63.3,37.85 64.5,39.05 64.5,44.42 65.38,45.3 67.1,45.3 68.6,46.8 68.6,54.37 69.3,55.07 69.3,58.13 68.6,58.83 68.6,69.25 67.75,70.1 38.65,70.1 38.35,69.8 21.35,69.8 19.2,67.65 19.2,66.55 17.65,65 16.55,65 15.05,63.5 13.3,63.5 v2(12.9,63.9)
LINEOUTLP: length 101
  TOP w0.076: 62.66,37.06 62.34,37.38 U1.AG2
  TOP w0.1: v1(64.1,36.3) 63.9,36.5 63.22,36.5 62.66,37.06
  TOP w0.2: CA23.2 11.88,64.5 12.4,63.98 12.4,63.7 v2(12.9,63.2)
  ART03 w0.2: v2(12.9,63.2) 15.18,63.2 16.68,64.7 17.78,64.7 19.5,66.42 19.5,67.52 21.48,69.5 38.48,69.5 38.78,69.8 67.62,69.8 68.3,69.12 68.3,58.7 69,58 69,55.2 68.3,54.5 68.3,46.92 66.98,45.6 65.25,45.6 64.2,44.55 64.2,39.17 63,37.97 63,36.88 63.58,36.3 v1(64.1,36.3)
LINEOUTRN: length 103.5
  TOP w0.1: U1.AH1 63.38,37.4 v1(64.1,37.4)
  TOP w0.2: CA22.2 v2(12.2,71.5)
  ART03 w0.2: v2(12.2,71.5) 11.7,71 11.7,66.32 13.02,65 15.7,65 21.1,70.4 38.1,70.4 38.4,70.7 68.1,70.7 69.8,69 69.8,65.82 69.2,65.22 69.2,59.08 69.9,58.38 69.9,54.82 69.2,54.12 69.2,45 66.2,42 66.2,39.4 64.7,37.9 64.5,37.9 64.1,37.5 v1(64.1,37.4)
LINEOUTRP: length 104.2
  TOP w0.076: 63.01,37.41 62.69,37.73 U1.AH2
  TOP w0.1: 63.01,37.41 63.42,37 64.3,37 v1(64.7,37.4)
  TOP w0.2: v2(12.2,70.8) 12.1,70.9 CA24.2
  ART03 w0.2: v2(12.2,70.8) 12,70.6 12,66.45 13.15,65.3 15.58,65.3 20.98,70.7 37.98,70.7 38.28,71 68.22,71 70.1,69.12 70.1,65.7 69.5,65.1 69.5,59.2 70.2,58.5 70.2,54.7 69.5,54 69.5,44.88 66.5,41.88 66.5,39.28 64.7,37.48 v1(64.7,37.4)
LRADC0: length 36.9
  TOP w0.076: 59.5,34.56 59.16,34.9 U1.V3
  TOP w0.1: 59.5,34.56 59.5,34.48 61.7,32.28 61.7,28.1 61.97,27.83 63.42,27.83 v1(64.3,26.95) ; R16.1 R18.1 R17.1 C90.1
  TOP w0.3: v2(83.6,28.7) 83.6,28.1 D2.2 84,27.9 84.3,28.2 C90.1
  ART04 w0.1: v1(64.3,26.95) 65.25,26 70.1,26 73.3,29.2 83.1,29.2 v2(83.6,28.7)
MBIAS: length 115.3
  TOP w0.1: 66.7,38.2 66.6,38.3 64.2,38.3 64.06,38.44 U1.AK1
  TOP w0.2: v2(72.3,63.3) 72.8,63.8 72.8,64.8 72.1,65.5 72.1,69.1 69.9,71.3 28.98,71.3 26.18,68.5 v2(25.9,68.5) ; 66.7,38.2 67.5,37.4 67.5,35.3 v1(68.8,34) ; v1(63.9,33.8) 64.1,33.6 CA32.2 RA21.2
  TOP w0.3: RA22.2 CA33.2 17.1,63.7 v2(17.4,63.4)
  ART03 w0.2: v2(72.3,63.3) 72.6,63 72.6,52.4 72.1,51.9 72.1,43.1 71.1,42.1 70.3,42.1 69.3,41.1 69.3,39.7 69.7,39.3 69.7,37 70.1,36.6 70.1,35.3 v1(68.8,34) ; v2(17.4,63.4) 17.7,63.4 18.2,63.9 19.9,63.9 20.4,64.4 20.4,65.7 20.6,65.9 20.6,67.7 21.4,68.5 v2(25.9,68.5)
  ART04 w0.2: v1(63.9,33.8) 64.8,33.8 65.2,34.2 68.6,34.2 v1(68.8,34)
MBIAS1: length 1.4
  TOP w0.2: UA3.5 23.7,65.1 CA50.1
MBIAS2: length 1.6
  TOP w0.2: UA3.13 19.65,64.3 19.05,63.7 CA51.1
MCSI-MCLK: length 42.9
  TOP w0.1: v1(86.2,24) 86,23.8 CV5.1 86.6,22.8 86.6,21.4 86.8,21.2 87.6,21.2 87.79,21.01 JV1.26 87.79,19.81 87.9,19.7 88.3,19.7 88.39,19.79 JV1.28
  ART04 w0.1: v1(86.2,24) 85.5,24.7 65.71,24.7 64.11,26.3 60.85,26.3 60.65,26.5 58.1,26.5 56.1,28.5 56.1,29.9 v1(56.7,30.5)
  BOTTOM w0.1: RV1.1 56.91,31.89 57.1,31.7 57.1,30.9 v1(56.7,30.5)
MCSI-RST-F: length 52.3
  TOP w0.1: JV1.31 89.29,16.31 v2(89.3,16.3) ; v1(63.9,20.55) 63.65,20.3 55.43,20.3 54.73,21.01 54.73,26.47 53.15,28.05 U1.A2 ; RV2.2 v1(82.8,22.8)
  ART04 w0.1: v2(89.3,16.3) 89.3,20.7 88.9,21.1 88.9,21.5 89.1,21.7 89.1,22.2 88.9,22.4 83.2,22.4 v1(82.8,22.8) 82.3,23.3 81.8,23.3 81.1,22.6 65.95,22.6 v1(63.9,20.55)